# Altium PCB BLE-T2.PcbDoc (part 2 of 3)
Units mm, origin at the board's own origin, x right, y up, seen from the top; angles counter-clockwise.
Board outline 284.81 x 94.32 mm, 2 copper layers (Component Side, Bottom Layer), stack 1.571 mm thick; 178 components, 105 nets, 791 pads, 192 vias.
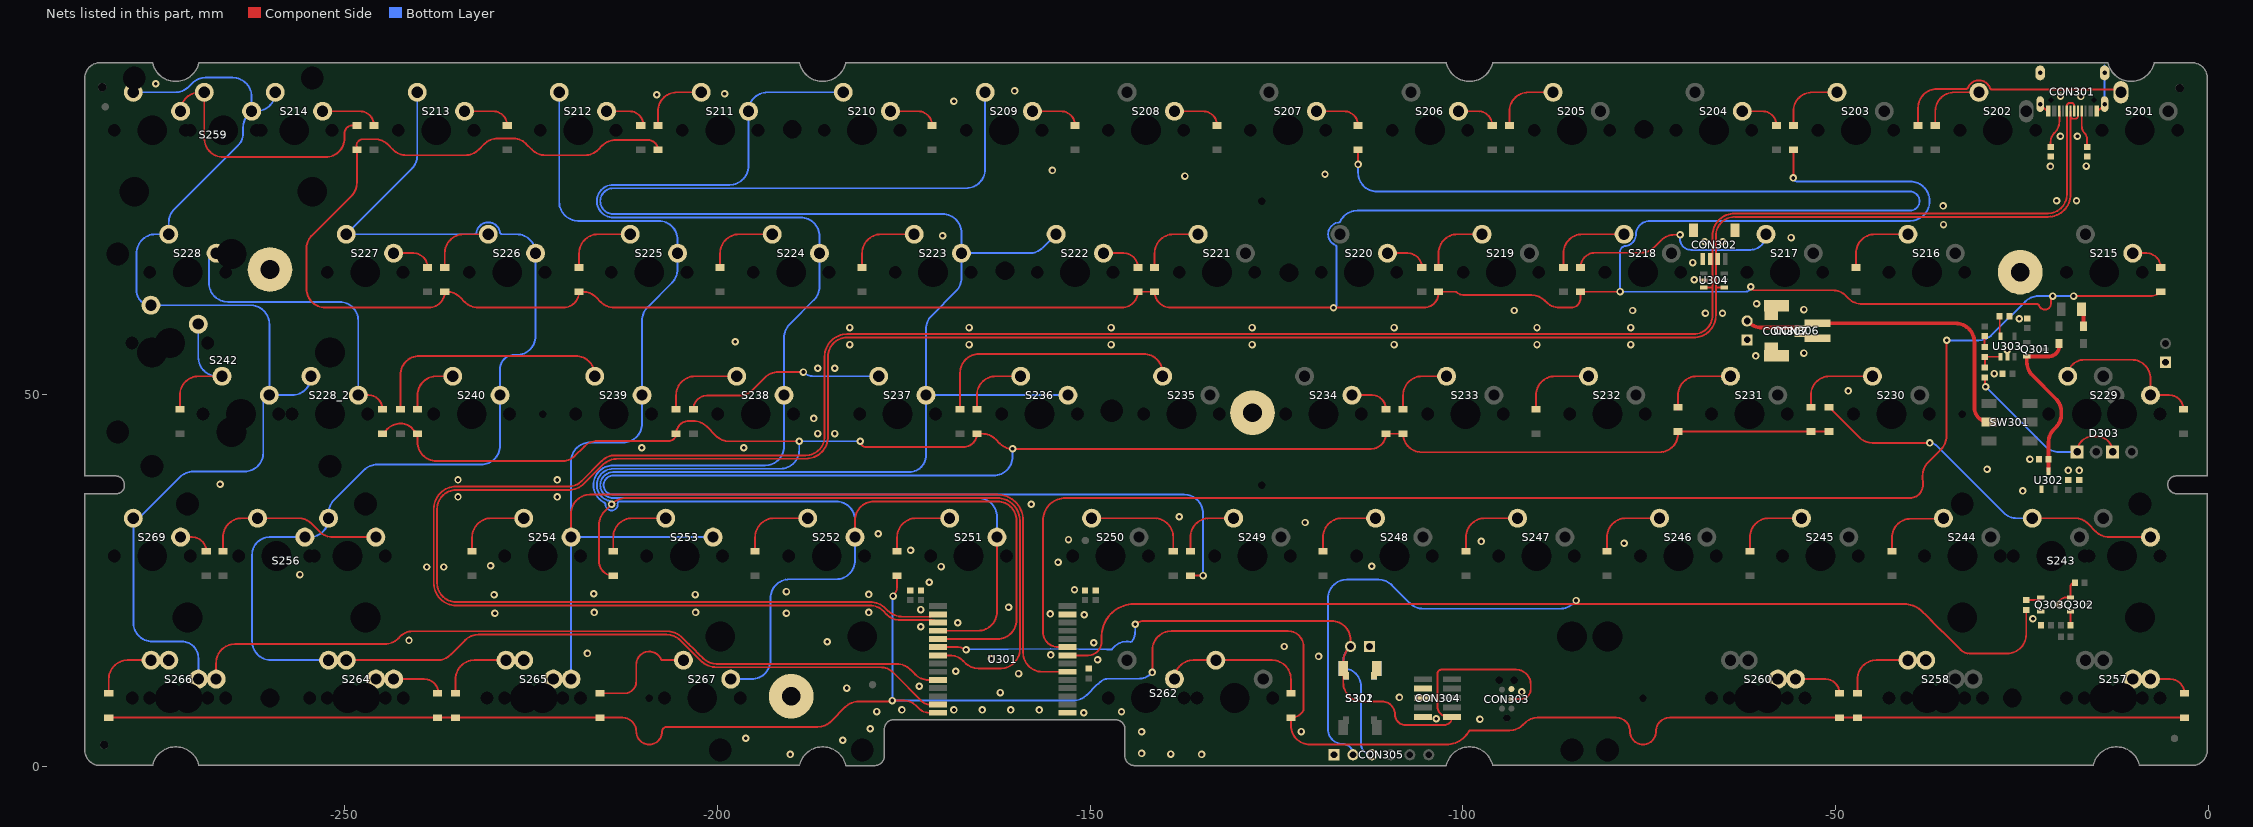
[diagram p2: the nets of this part, all layers, seen from the top]

## Via types
v1: diameter 1, hole 0.5, Component Side to Bottom Layer, tented both sides, 190 vias
v2: diameter 1.5, hole 0.75, Component Side to Bottom Layer, tented both sides, 2 vias

## Nets (pads, with @x,y where several pads share a name; then routed paths per layer and width w, separated by ;. In a path a pad name is that pad's centre, name@x,y a point inside that pad or via, vN(x,y) a via of type N, cw(c..) or ccw(c..) an arc to the next point about the centre after c; other vN are vias at no path point) (continued)
col7: S209.2 S222.2 S223.2 S236.2 S237.2 S251.2 U301.18 | length 303.4
  Component Side w0.254: U301.18@-170.434,18.243 -165.042,18.243 ccw(c-165.042,20.783) -162.502,20.783 S251.2@-162.502,30.805
  Bottom Layer w0.254: S209.2@-164.09,90.495 -164.09,80.165 cw(c-166.63,80.165) -166.63,77.625 -214,77.625 ccw(c-214,75.89) -214,74.155 -169.805,74.155 cw(c-169.805,71.615) -167.265,71.615 S223.2@-167.265,68.905 ; S251.2@-162.502,30.805 -162.502,33.515 ccw(c-165.042,33.515) -165.042,36.055 -214,36.055 cw(c-214,37.79) -214,39.525 -174.3,39.525 ccw(c-174.3,41.798) -172.027,41.798 S237.2@-172.027,49.855 ; S222.2@-154.565,71.445 -156.361,69.649 cw(c-158.157,71.445) -158.157,68.905 S223.2@-167.265,68.905 ; S236.2@-152.977,49.855 S237.2@-172.027,49.855 ; S237.2@-172.027,49.855 -172.027,58.72 cw(c-169.487,58.72) -171.284,60.516 -168.009,63.791 ccw(c-169.805,65.587) -167.265,65.587 S223.2@-167.265,68.905
col8: S210.2 S211.2 S224.2 S238.2 S252.2 S267.2 U301.19 | length 265.8
  Component Side w0.254: S252.2@-181.552,30.805 -181.552,33.052 cw(c-179.012,33.052) -179.012,35.592 -162.433,35.592 cw(c-162.433,33.052) -159.893,33.052 -159.893,19.683 ; U301.19@-170.434,17.143 -162.433,17.143 ; -162.433,17.143 ccw(c-162.433,19.683) -159.893,19.683 ; -162.433,17.143 ccw(c-162.433,19.683) -159.893,19.683
  Bottom Layer w0.254: S267.2@-198.221,11.755 -195.44,11.755 ccw(c-195.44,14.295) -192.9,14.295 -192.9,22.61 cw(c-190.36,22.61) -190.36,25.15 -184.092,25.15 ccw(c-184.092,27.69) -181.552,27.69 S252.2@-181.552,30.805 -181.552,33.061 ccw(c-184.092,33.061) -184.092,35.601 -213.142,35.601 ccw(c-213.143,35.347) -213.395,35.312 cw(c-214.214,35.199) -215.041,35.199 ccw(c-215.295,35.199) -215.181,35.426 cw(c-214,37.79) -214,40.433 -193.617,40.433 ccw(c-193.617,42.973) -191.077,42.973 S238.2@-191.077,49.855 -191.077,57.552 cw(c-188.537,57.552) -190.334,59.348 -187.059,62.623 ccw(c-188.855,64.419) -186.315,64.419 S224.2@-186.315,68.905 -186.315,71.161 ccw(c-188.855,71.161) -188.855,73.701 -214,73.701 cw(c-214,75.89) -214,78.079 -198.38,78.079 ccw(c-198.38,80.619) -195.84,80.619 S211.2@-195.84,87.955 cw(c-193.3,87.955) -193.3,90.495 S210.2@-183.14,90.495
col9: S212.2 S225.2 S239.2 S253.2 S254.2 S265.1 U301.6 | length 213
  Component Side w0.254: S254.2@-219.652,30.805 -219.652,33.96 cw(c-217.112,33.96) -217.112,36.5 -162.433,36.5 cw(c-162.433,33.052) -160.795,36.086 cw(c-162.433,33.052) -159.86,35.348 cw(c-162.433,33.052) -158.985,33.052 -158.985,15.283 ccw(c-156.445,15.283) -156.445,12.743 U301.6@-153.034,12.743
  Bottom Layer w0.254: S212.2@-221.24,90.495 -221.24,75.787 ccw(c-218.7,75.787) -218.7,73.247 -207.905,73.247 cw(c-207.905,70.707) -205.365,70.707 S225.2@-205.365,68.905 -205.365,66.737 cw(c-207.905,66.737) -206.109,64.941 -209.384,61.666 ccw(c-207.587,59.87) -210.127,59.87 S239.2@-210.127,49.855 -210.127,46.04 cw(c-212.667,46.04) -212.667,43.5 -217.112,43.5 ccw(c-217.112,40.96) -219.652,40.96 S254.2@-219.652,30.805 ; S265.1@-219.652,11.755 S254.2@-219.652,30.805 ; S253.2@-200.602,30.805 S254.2@-219.652,30.805
col10: S213.2 S226.2 S227.2 S240.2 S256.2 S264.2 U301.27 | length 228.7
  Component Side w0.254: S264.2@-249.809,14.295 -237.607,14.295 ccw(c-237.607,16.835) -235.811,15.039 -233.868,16.982 cw(c-232.072,15.186) -232.072,17.726 -206.828,17.726 cw(c-206.828,15.186) -205.032,16.982 ccw(c-204.852,17.161) -205.029,16.979 -203.456,15.438 cw(c-204.571,14.295) -203.338,15.31 -202.839,14.811 ; -202.835,14.815 -202.244,14.223 ccw(c-200.127,16.34) -200.124,13.346 -198.229,13.352 cw(c-198.221,11.755) -198.195,13.352 -197.807,13.346 ccw(c-197.8,13.8) -197.8,13.346 -197.55,13.346 -180.7,13.346 -178.184,13.346 ; -178.183,13.346 cw(c-178.184,10.806) -176.388,12.602 -172.444,8.658 ccw(c-171.593,9.65) -171.593,8.343 U301.27@-170.434,8.343
  Bottom Layer w0.254: S264.2@-252.19,14.295 -259.91,14.295 cw(c-259.91,16.835) -262.45,16.835 -262.45,28.45 cw(c-260.095,28.45) -260.095,30.805 S256.2@-255.37,30.805 -254.735,30.805 ccw(c-254.735,33.345) S256.2@-252.195,33.345 -252.195,34.003 cw(c-249.655,34.003) -251.451,35.799 -247.444,39.806 cw(c-245.648,38.01) -245.648,40.55 -231.717,40.55 ccw(c-231.717,43.09) -229.177,43.09 S240.2@-229.177,49.855 -229.177,53.373 cw(c-227.3,53.373) -227.3,55.25 -226.955,55.25 ccw(c-226.955,57.79) -224.415,57.79 S226.2@-224.415,68.905 ccw(c-226.955,68.905) -226.955,71.445 -228.932,71.445 cw(c-228.932,71.699) -229.183,71.664 ccw(c-230.765,71.445) -232.347,71.664 cw(c-232.598,71.699) -232.598,71.445 S227.2@-249.815,71.445 -241.034,80.226 ccw(c-242.83,82.022) -240.29,82.022 S213.2@-240.29,90.495
col11: S214.2 S228.2 S228_2.2 S242.2 S259.2 S266.1 S269.2 U301.24 | length 254.4
  Component Side w0.254: S266.1@-267.277,11.755 -267.277,13.91 cw(c-264.737,13.91) -264.737,16.45 -244.652,16.45 ccw(c-244.652,18.99) -242.856,17.194 -242.55,17.5 cw(c-240.908,15.858) -240.908,18.18 -206.732,18.18 cw(c-206.732,17.926) -206.714,18.179 -206.622,18.173 cw(c-206.828,15.186) -204.731,17.323 -203.846,16.455 -203.137,15.762 cw(c-204.571,14.295) -203.114,15.739 -202.564,15.186 -201.923,14.544 ccw(c-200.127,16.34) -200.127,13.8 -198.231,13.806 cw(c-198.221,11.755) -198.188,13.806 -197.8,13.8 -177.95,13.8 -175.952,13.8 cw(c-175.952,11.26) -174.156,13.056 -173.487,12.387 ccw(c-171.691,14.183) -171.691,11.643 U301.24@-170.434,11.643
  Bottom Layer w0.254: -278.39,18.94 -278.39,19.34 ; S259.2@-278.39,90.495 -272.761,90.495 ccw(c-272.761,93.035) -270.965,91.239 -270.492,91.712 cw(c-268.696,89.916) -268.696,92.456 -265.055,92.456 cw(c-265.055,89.916) -262.515,89.916 S259.2@-262.515,87.955 ; S266.1@-269.658,11.755 -269.658,14.558 ccw(c-271.9,14.558) -271.9,16.8 -275.85,16.8 cw(c-275.85,19.34) -278.39,19.34 ; S214.2@-259.34,90.495 cw(c-261.88,90.495) -261.88,87.955 S259.2@-262.515,87.955 ; S228_2.2@-254.552,52.395 cw(c-257.092,52.395) -257.092,49.855 S242.2@-260.14,49.855 ; -278.39,19.34 S269.2@-278.39,33.345 ccw(c-278.39,35.119) -277.135,33.865 -272.144,38.856 cw(c-270.348,37.06) -270.348,39.6 -263.49,39.6 ccw(c-263.49,42.14) -260.95,42.14 -260.95,49.045 cw(c-260.14,49.045) S242.2@-260.14,49.855 ; S259.2@-262.515,87.955 -262.906,87.564 ccw(c-261.11,85.768) -263.65,85.768 -263.65,85.04 cw(c-266.04,85.04) -264.35,83.35 -272.884,74.816 ccw(c-271.087,73.02) -273.627,73.02 S228.2@-273.627,71.445 -275.41,71.445 ccw(c-275.41,68.905) -277.95,68.905 -277.95,63.855 ccw(c-276.02,63.855) S242.2@-276.02,61.925 -262.68,61.925 cw(c-262.68,59.385) -261.572,61.671 cw(c-262.68,59.385) -260.14,59.385 S242.2@-260.14,49.855
D_N: CON301.A7 CON301.B7 CON302.2 U301.16 U304.4 | length 345.9
  Component Side w0.254: -177.075,20.865 -177.209,20.999 ; U301.16@-170.434,20.443 -170.942,20.443 cw(c-171.718,21.219) -171.718,20.122 -175.09,20.122 cw(c-175.09,23.119) -177.209,20.999 ; U304.4@-65.1,64.3 -65.921,64.3 ccw(c-65.921,64.129) -66.041,64.25 ; CON301.A7@-18.45,88 cw(c-18.681,87.894) -18.427,87.894 -18.427,87.275 ccw(c-18.1,87.275) -18.1,86.948 -17.8,86.948 ccw(c-17.8,87.275) -17.473,87.275 -17.473,87.894 cw(c-17.219,87.894) CON301.B7@-17.45,88 ; CON301.A7@-18.45,88 -18.45,76.784 cw(c-21.447,76.784) -21.447,73.787 -63.501,73.787 ccw(c-63.501,71.247) -66.041,71.247 -66.041,64.25 ; -177.209,20.999 -177.431,21.221 ccw(c-179.549,19.103) -179.549,22.098 -235.077,22.098 cw(c-235.077,24.638) -237.617,24.638 -237.617,34.595 cw(c-235.077,34.595) -235.077,37.135 -220.012,37.135 ccw(c-220.012,40.132) -217.892,38.013 -215.457,40.448 cw(c-213.338,38.329) -213.338,41.326 -188.163,41.326 ccw(c-188.163,44.323) -185.166,44.323 -185.166,55.042 cw(c-182.626,55.042) -182.626,57.582 -69.039,57.582 ccw(c-69.039,60.579) -66.041,60.579 -66.041,64.25
D_P: CON301.A6 CON301.B6 CON302.3 U301.17 U304.3 | length 346.4
  Component Side w0.254: U301.17@-170.434,19.343 ccw(c-171.21,18.567) -171.21,19.664 -175.469,19.664 cw(c-175.469,22.204) -177.265,20.408 -177.753,20.897 ccw(c-179.549,19.101) -179.549,21.641 -235.077,21.641 cw(c-235.077,24.638) -238.074,24.638 -238.074,34.595 cw(c-235.077,34.595) -235.077,37.592 -220.012,37.592 ccw(c-220.012,40.132) -218.216,38.336 -215.513,41.039 cw(c-213.716,39.243) -213.716,41.783 -188.163,41.783 ccw(c-188.163,44.323) -185.623,44.323 -185.623,55.042 cw(c-182.626,55.042) -182.626,58.039 -69.039,58.039 ccw(c-69.039,60.579) -66.499,60.579 -66.499,64.35 ; U304.3@-67.5,64.3 -66.619,64.3 ccw(c-66.619,64.471) -66.499,64.35 ; CON301.B6@-18.95,88 -18.95,76.784 cw(c-21.49,76.784) -21.49,74.244 -63.501,74.244 ccw(c-63.501,71.247) -66.499,71.247 -66.499,64.35 ; CON301.B6@-18.927,88.163 -18.927,88.725 cw(c-18.6,88.725) -18.6,89.052 -18.3,89.052 cw(c-18.3,88.725) -17.973,88.725 -17.973,88.693 -17.973,88.106 ccw(c-17.719,88.106) CON301.A6@-17.95,88
GND: C301.1 C302.1 C303.1 C304.1 C307.1 C308.1 C309.1 C310.1 C311.1 CON301.A1B12 CON301.B1A12 CON301.S1 CON302.4 CON302.5 CON303.5 CON304.3 CON304.5 CON304.9 CON305.1 CON306.2 CON306.3 CON307.2 CON307.3 CON308.1 CON309.1 CON310.1 pad.@-25.2,66.365 pad.@-128.212,47.5 pad.@-190.119,9.45 pad.@-260.05,66.715 Q303.2 R301.2 R302.2 R308.2 R309.2 R316.2 S301.1 S302.2 U301.1 U301.13 U302.1 U303.2 U304.2 | length 7.2
  Component Side w0.254: CON301.S1@-22.52,88.915 -21.715,88.11 ccw(c-21.45,88.374) CON301.B1A12@-21.45,88 ; CON301.B1A12@-21.605,88.5 CON301.B1A12@-21.45,88.5 ; CON301.A1B12@-14.95,88 ccw(c-14.95,88.374) -14.685,88.11 CON301.S1@-13.88,88.915
  Bottom Layer w0.254: CON301.S1@-13.88,89.915 -13.88,94.095
  other v1: -190.25,1.65 -135.05,1.65 -139.2,1.7 -143.1,1.779 -183.2,3.55 -196.215,3.81 -143.1,4.7 -121.693,4.721 -179.5,5.1 -97.7,6.35 -103.55,6.45 -150.876,7.239 -145.796,7.366 -178.65,7.4 -175.26,7.62 -168.275,7.62 -164.465,7.62 -160.655,7.62 -156.845,7.62 -108.5,9.3 -162.05,9.95 -92.075,10.033 -182.65,10.55 -172.95,10.8 -159.6,12.5 -168.021,12.827 -149,14.35 -163.25,14.5 -119.35,14.8 -155.3,15 -217.45,15.2 -123.952,16.129 -149.5,16.65 -185.293,16.764 -241.4,16.95 -172.72,18.796 -167.767,19.304 -23.5,19.85 -150.8,20.4 -155.35,20.5 -229.87,20.574 -190.754,20.574 -216.535,20.701 -202.946,20.701 -179.705,20.701 -172.72,21.082 -160.95,21.4 -229.989,23.074 -203,23.1 -179.705,23.114 -216.6,23.2 -190.754,23.495 -152.1,23.75 -171.6,24.75 -256.032,25.781 -239.014,26.797 -236.728,26.797 -170,26.85 -112.2,26.9 -230.45,26.95 -154.3,27.45 -174.1,29.05 -78.359,29.972 -97.536,30.226 -152.908,30.48 -178.435,31.242 -121.158,32.766 -138.049,33.528 -157.9,35.2 -234.823,36.195 -221.488,36.195 -24.85,37 -266.75,37.9 -234.823,38.481 -221.488,38.481 -18.75,39.75 -17.3,39.75 -29.65,39.9 -23.9,41.25 -210.15,42.8 -196.469,42.799 -186.563,44.704 -184.277,44.704 -187.071,46.736 -48.26,50.419 -28.7,52.75 -186.563,53.467 -184.277,53.467 -60.706,55.118 -54.229,55.499 -26.95,55.9 -182.245,56.642 -166.243,56.642 -147.193,56.642 -128.27,56.642 -109.22,56.642 -90.043,56.642 -77.47,56.642 -197.612,57.023 -182.245,58.928 -166.243,58.928 -147.193,58.928 -128.27,58.928 -109.22,58.928 -90.043,58.928 -77.47,58.928 -25.35,60.1 -67.437,60.833 -65.151,60.833 -93.091,61.214 -77.216,61.214 -54.229,61.341 -60.579,62.103 -68.95,65.35 -69.15,67.65 -67.513,70.45 -65.1,70.45 -55.95,71 -169.799,71.247 -35.5,72.75 -35.55,75.25 -20.32,75.946 -17.653,75.946 -137.287,79.248 -118.491,79.502 -155.067,80.01 -21.15,80.55 -16.35,80.6 -19.812,84.582 -17.526,84.582 -168.275,89.281 -17.062,89.932 -19.8,89.95 -208.153,90.17 -199.05,90.3 -160.147,90.678 -275.392,91.627
NetC309_2: C309.2 D302.2 Q301.2 U302.3 | length 23.1
  Component Side w0.5: U302.3@-21.4,39.65 C309.2@-21.4,41.25 -21.4,43.56 cw(c-19.01,43.56) -20.7,45.25 -20.429,45.521 ccw(c-22.225,47.317) -19.685,47.317 -19.685,47.583 ccw(c-22.225,47.583) -20.429,49.379 -23.57,52.52 cw(c-21.774,54.316) -24.314,54.316 Q301.2@-24.314,55.057 -21.35,55.057 ccw(c-21.35,56.422) -20.221,55.655 ccw(c-21.35,56.422) -19.985,56.422 D302.2@-19.985,56.8
NetCON301_A5: CON301.A5 R302.1 | length 5
  Component Side w0.254: CON301.A5@-16.95,88 -16.95,85.966 ccw(c-15.584,85.966) -16.55,85 cw(c-17.323,84.227) -16.23,84.227 R302.1@-16.23,83.15
NetCON301_B5: CON301.B5 R301.1 | length 5.2
  Component Side w0.254: R301.1@-21.12,83.15 -21.12,83.795 cw(c-19.345,83.795) -20.6,85.05 ccw(c-22.169,86.619) -19.95,86.619 CON301.B5@-19.95,88
NetCON306_1: CON306.1 CON307.1 CON310.2 SW301.2 | length 41.7
  Component Side w0.5: CON310.2@-61.849,59.817 -61.704,59.672 ccw(c-59.908,61.468) -59.908,58.928 CON307.1@-54.737,58.928 ; CON306.1@-52.412,59.499 -33.89,59.499 cw(c-33.89,56.959) -31.35,56.959 -31.35,48.202 ccw(c-29.376,48.202) SW301.2@-29.376,46.228
NetD201_1: D201.1 S201.1 | length 33.4
  Component Side w0.254: D201.1@-38.9,86.05 -38.9,88.409 cw(c-36.36,88.409) -36.36,90.949 -32.45,90.949 ccw(c-32.45,91.203) -32.216,91.106 cw(c-30.74,90.495) -32.079,91.365 cw(c-30.74,90.495) -29.401,91.366 ; -21.651,90.85 -28.992,90.85 cw(c-28.992,91.104) -29.232,91.02 ccw(c-30.74,90.495) -29.4,91.364 ; -21.65,90.85 -12.045,90.85 cw(c-12.045,90.495) S201.1@-11.69,90.495 ccw(c-12.445,90.495) S201.1@-12.445,91.25 ; -29.401,91.366 ccw(c-29.188,91.504) -29.4,91.364 ; -29.401,91.366 cw(c-30.74,90.495) -29.4,91.364
NetD202_1: D202.1 S202.1 | length 9.2
  Component Side w0.254: D202.1@-36.6,86.05 -36.6,87.955 cw(c-34.06,87.955) -34.06,90.495 S202.1@-30.74,90.495
NetD203_1: D203.1 S203.1 | length 9.2
  Component Side w0.254: D203.1@-55.65,86.05 -55.65,87.955 cw(c-53.11,87.955) -53.11,90.495 S203.1@-49.79,90.495
NetD204_1: D204.1 S204.1 | length 5.7
  Component Side w0.254: S204.1@-62.49,87.955 -59.805,87.955 cw(c-59.805,86.05) -58.364,87.295 cw(c-59.805,86.05) D204.1@-57.9,86.05
NetD205_1: D205.1 S205.1 | length 9.2
  Component Side w0.254: D205.1@-93.75,86.05 -93.75,87.955 cw(c-91.21,87.955) -91.21,90.495 S205.1@-87.89,90.495
NetD206_1: D206.1 S206.1 | length 5.7
  Component Side w0.254: S206.1@-100.55,87.915 S206.1@-100.59,87.955 -97.955,87.955 cw(c-97.955,86.05) -96.716,87.497 cw(c-97.955,86.05) D206.1@-96.05,86.05
NetD207_1: D207.1 S207.1 | length 6.7
  Component Side w0.254: S207.1@-119.6,87.915 S207.1@-119.64,87.955 -115.951,87.955 cw(c-115.951,86.05) D207.1@-114.046,86.05
NetD208_1: D208.1 S208.1 | length 6.9
  Component Side w0.254: S208.1@-138.65,87.915 S208.1@-138.69,87.955 -134.874,87.955 cw(c-134.874,86.05) D208.1@-132.969,86.05
NetD209_1: D209.1 S209.1 | length 6.8
  Component Side w0.254: S209.1@-157.74,87.955 -153.924,87.955 cw(c-153.924,86.05) D209.1@-152.019,86.05
NetD210_1: D210.1 S210.1 | length 6.7
  Component Side w0.254: S210.1@-176.79,87.955 -173.101,87.955 cw(c-173.101,86.05) D210.1@-171.196,86.05
NetD211_1: D211.1 S211.1 | length 9.2
  Component Side w0.254: D211.1@-208,86.05 -208,87.955 cw(c-205.46,87.955) -205.46,90.495 S211.1@-202.19,90.495
NetD212_1: D212.1 S212.1 | length 6
  Component Side w0.254: S212.1@-214.89,87.955 -211.836,87.955 cw(c-211.836,86.05) D212.1@-209.931,86.05
NetD213_1: D213.1 S213.1 | length 6.8
  Component Side w0.254: S213.1@-233.94,87.955 -230.124,87.955 cw(c-230.124,86.05) D213.1@-228.219,86.05
NetD214_1: D214.1 S214.1 | length 8
  Component Side w0.254: S214.1@-252.99,87.955 -248.005,87.955 cw(c-248.005,86.05) D214.1@-246.1,86.05
NetD215_1: D215.1 S215.1 | length 4.8
  Component Side w0.254: S215.1@-10.102,68.905 -8.255,68.905 cw(c-8.255,67) D215.1@-6.35,67
NetD216_1: D216.1 S216.1 | length 12.1
  Component Side w0.254: D216.1@-47.244,67 -47.244,68.905 cw(c-44.704,68.905) -44.704,71.445 S216.1@-40.265,71.445 S216.1@-39.776,71.934
  Bottom Layer w0.254: S216.1@-41.27,71.155 S216.1@-40.225,71.155
NetD217_1: D217.1 S217.1 | length 29.4
  Component Side w0.254: D217.1@-84.2,67 cw(c-82.239,67) -83.507,68.496 cw(c-82.239,67) -82.239,68.961 -76.109,68.961 ccw(c-76.109,71.501) -74.313,69.705 -73.388,70.63 cw(c-71.592,68.834) -71.592,71.374 v1(-70.848,71.374)
  Bottom Layer w0.254: v1(-70.848,71.374) -70.848,70.807 ccw(c-69.4,70.807) -69.4,69.359 -61.401,69.359 ccw(c-61.401,71.445) S217.1@-59.315,71.445
NetD218_1: D218.1 S218.1 | length 12.4
  Component Side w0.254: D218.1@-86.5,67 -86.5,68.905 cw(c-83.96,68.905) -83.96,71.445 S218.1@-78.365,71.445 S218.1@-78.994,70.816
NetD219_1: D219.1 S219.1 | length 9.2
  Component Side w0.254: D219.1@-103.25,67 -103.25,68.905 cw(c-100.71,68.905) -100.71,71.445 S219.1@-97.415,71.445
NetD220_1: D220.1 S220.1 | length 5.7
  Component Side w0.254: S220.1@-110.115,68.905 -107.405,68.905 cw(c-107.405,67) D220.1@-105.5,67
NetD221_1: D221.1 S221.1 | length 9.2
  Component Side w0.254: D221.1@-141.35,67 -141.35,68.905 cw(c-138.81,68.905) -138.81,71.445 S221.1@-135.515,71.445
NetD222_1: D222.1 S222.1 | length 5.7
  Component Side w0.254: S222.1@-148.215,68.905 -145.505,68.905 cw(c-145.505,67) D222.1@-143.6,67
NetD223_1: D223.1 S223.1 | length 10.3
  Component Side w0.254: D223.1@-180.594,67 -180.594,68.905 cw(c-178.054,68.905) -178.054,71.445 S223.1@-173.615,71.445
NetD224_1: D224.1 S224.1 | length 10.3
  Component Side w0.254: D224.1@-199.644,67 -199.644,68.905 cw(c-197.104,68.905) -197.104,71.445 S224.1@-192.665,71.445
NetD225_1: D225.1 S225.1 | length 10.4
  Component Side w0.254: D225.1@-218.567,67 -218.567,68.905 cw(c-216.027,68.905) -216.027,71.445 S225.1@-211.715,71.445
  Bottom Layer w0.254: S225.1@-211.715,71.241 S225.1@-211.715,71.445
NetD226_1: D226.1 S226.1 | length 9.2
  Component Side w0.254: D226.1@-236.6,67 -236.6,68.905 cw(c-234.06,68.905) -234.06,71.445 S226.1@-230.765,71.445
NetD227_1: D227.1 S227.1 | length 5.7
  Component Side w0.254: S227.1@-243.465,68.905 -240.805,68.905 cw(c-240.805,67) D227.1@-238.9,67
NetD228_1: D228.1 S228.1 S228_2.1 | length 41.5
  Component Side w0.254: S228_2.1@-248.202,49.855 -246.855,49.855 cw(c-246.855,47.95) D228.1@-244.95,47.95
  Bottom Layer w0.254: S228.1@-267.544,68.868 ccw(c-267.277,67.933) -268.25,67.933 -268.25,64.919 ccw(c-265.71,64.919) -267.104,62.796 ccw(c-265.71,64.919) -265.71,62.379 -250.742,62.379 cw(c-250.742,59.839) -248.202,59.839 S228_2.1@-248.202,49.855
NetD229_1: D229.1 S229.1 | length 21.5
  Component Side w0.254: S229.1@-18.834,52.395 cw(c-16.619,52.395) -16.619,54.61 -10.261,54.61 cw(c-10.261,52.07) -7.721,52.07 S229.1@-7.721,49.855 -5.207,49.855 cw(c-5.207,47.95) D229.1@-3.302,47.95
NetD230_1: D230.1 S230.1 | length 11.3
  Component Side w0.254: D230.1@-53.3,48.235 -53.3,49.855 cw(c-50.76,49.855) -50.76,52.395 S230.1@-45.027,52.395
NetD231_1: D231.1 S231.1 | length 12.4
  Component Side w0.254: D231.1@-71.12,47.95 -71.12,49.855 cw(c-68.58,49.855) -68.58,52.395 S231.1@-64.077,52.395 ; S231.1@-64.748,51.395 S231.1@-64.037,52.105
  Bottom Layer w0.254: S231.1@-64.748,51.395 S231.1@-64.037,52.105
NetD232_1: D232.1 S232.1 | length 10.4
  Component Side w0.254: D232.1@-90.17,47.95 -90.17,49.855 cw(c-87.63,49.855) -87.63,52.395 S232.1@-83.127,52.395
NetD233_1: D233.1 S233.1 | length 9.6
  Component Side w0.254: D233.1@-108,47.95 -108,49.855 cw(c-105.46,49.855) -105.46,52.395 S233.1@-102.427,52.395 ; S233.1@-102.177,52.395 S233.1@-102.427,52.395 ; S233.1@-102.137,52.105 S233.1@-102.427,52.395
NetD234_1: D234.1 S234.1 | length 5.7
  Component Side w0.254: S234.1@-114.877,49.855 -112.205,49.855 cw(c-112.205,47.95) D234.1@-110.3,47.95
NetD235_1: D235.1 S235.1 | length 35.8
  Component Side w0.254: D235.1@-167.45,47.95 -167.45,52.832 cw(c-164.91,52.832) -164.91,55.372 -142.817,55.372 cw(c-142.817,52.832) -140.277,52.832 S235.1@-140.277,52.395
  Bottom Layer w0.254: S235.1@-140.516,51.827 S235.1@-140.237,52.105
NetD236_1: D236.1 S236.1 | length 9.4
  Component Side w0.254: D236.1@-165.2,47.95 -165.2,49.855 cw(c-162.66,49.855) -162.66,52.395 S236.1@-159.327,52.395
  Bottom Layer w0.254: S236.1@-159.287,52.105 S236.1@-159.287,52.297
NetD237_1: D237.1 S237.1 | length 27.2
  Component Side w0.254: D237.1@-203.25,47.95 cw(c-201.416,47.95) -201.416,49.784 -197.14,49.784 ccw(c-197.14,52.324) -195.344,50.528 -193.657,52.215 cw(c-191.861,50.419) -191.861,52.959 v1(-188.468,52.959)
  Bottom Layer w0.254: v1(-188.468,52.959) ccw(c-187.106,54.321) -187.106,52.395 S237.1@-178.377,52.395
NetD238_1: D238.1 S238.1 | length 11.5
  Component Side w0.254: D238.1@-205.55,47.95 -205.55,49.855 cw(c-203.01,49.855) -203.01,52.395 S238.1@-197.427,52.395
NetD239_1: D239.1 S239.1 | length 33.8
  Component Side w0.254: D239.1@-242.55,47.95 -242.55,52.578 cw(c-240.01,52.578) -240.01,55.118 -219.017,55.118 cw(c-219.017,52.578) -216.477,52.578 S239.1@-216.477,52.395
NetD240_1: D240.1 S240.1 | length 8.1
  Component Side w0.254: D240.1@-240.25,47.95 -240.25,49.855 cw(c-237.71,49.855) -238.548,52.253 cw(c-237.71,49.855) -237.71,52.395 S240.1@-235.527,52.395
NetD242_1: D242.1 S242.1 | length 18.1
  Component Side w0.254: D242.1@-272.15,47.95 -272.15,49.855 cw(c-269.61,49.855) -269.61,52.395 S242.1@-266.49,52.395
  Bottom Layer w0.254: S242.1@-269.67,59.385 -269.67,54.935 ccw(c-267.13,54.935) -267.13,52.395 S242.1@-266.49,52.395
NetD243_1: D243.1 S243.1 | length 49.9
  Component Side w0.254: D243.1@-50.85,48.235 -46.809,44.194 ccw(c-45.013,45.99) -45.013,43.45 v1(-37.35,43.45) ; S243.1@-23.596,33.345 -17.887,33.345 cw(c-17.887,30.805) -16.091,32.601 -15.039,31.549 ccw(c-13.243,33.345) -13.243,30.805 S243.1@-7.721,30.805
  Bottom Layer w0.254: v1(-37.35,43.45) cw(c-37.35,42.122) -36.411,43.061 -27.439,34.089 ccw(c-25.643,35.885) -25.643,33.345 S243.1@-23.596,33.345
NetD244_1: D244.1 S244.1 | length 10.3
  Component Side w0.254: D244.1@-42.418,28.9 -42.418,30.734 cw(c-39.878,30.734) -39.878,33.274 S244.1@-35.433,33.274
NetD245_1: D245.1 S245.1 | length 10.3
  Component Side w0.254: D245.1@-61.468,28.9 -61.468,30.805 cw(c-58.928,30.805) -58.928,33.345 S245.1@-54.552,33.345
NetD246_1: D246.1 S246.1 | length 11.1
  Component Side w0.254: D246.1@-80.645,28.9 -80.645,30.805 cw(c-78.105,30.805) -78.105,33.345 S246.1@-73.602,33.345
  Bottom Layer w0.254: S246.1@-74.26,33.055 S246.1@-73.562,33.055
NetD247_1: D247.1 S247.1 | length 10.3
  Component Side w0.254: D247.1@-99.568,28.9 -99.568,30.805 cw(c-97.028,30.805) -97.028,33.345 S247.1@-92.652,33.345
NetD248_1: D248.1 S248.1 | length 10.4
  Component Side w0.254: D248.1@-118.745,28.9 -118.745,30.805 cw(c-116.205,30.805) -116.205,33.345 S248.1@-111.702,33.345
NetD249_1: D249.1 S249.1 | length 9.2
  Component Side w0.254: D249.1@-136.55,28.9 -136.55,30.805 cw(c-134.01,30.805) -134.01,33.345 S249.1@-130.752,33.345
NetD250_1: D250.1 S250.1 | length 14.3
  Component Side w0.254: S250.1@-149.802,33.345 -141.39,33.345 cw(c-141.39,30.805) -138.85,30.805 D250.1@-138.85,28.9
NetD251_1: D251.1 S251.1 | length 10.4
  Component Side w0.254: D251.1@-175.895,28.9 -175.895,30.805 cw(c-173.355,30.805) -173.355,33.345 S251.1@-168.852,33.345
NetD252_1: D252.1 S252.1 | length 10.4
  Component Side w0.254: D252.1@-194.945,28.9 -194.945,30.805 cw(c-192.405,30.805) -192.405,33.345 S252.1@-187.902,33.345
NetD253_1: D253.1 S253.1 | length 10.4
  Component Side w0.254: D253.1@-213.995,28.9 -213.995,30.805 cw(c-211.455,30.805) -211.455,33.345 S253.1@-206.952,33.345
NetD254_1: D254.1 S254.1 | length 10.3
  Component Side w0.254: D254.1@-232.918,28.9 -232.918,30.805 cw(c-230.378,30.805) -230.378,33.345 S254.1@-226.002,33.345
NetD256_1: D256.1 S256.1 | length 25.9
  Component Side w0.254: D256.1@-266.35,28.9 -266.35,30.805 cw(c-263.81,30.805) -263.81,33.345 S256.1@-261.72,33.345 -256.247,33.345 cw(c-256.247,30.805) -254.451,32.601 -253.399,31.549 ccw(c-251.603,33.345) -251.605,30.805 ccw(c-251.603,33.345) -251.603,30.805 -250.65,30.805 S256.1@-245.845,30.805 ; S256.1@-246.227,31.883 cw(c-247.19,30.805) S256.1@-245.745,30.805
NetD257_1: D257.1 S257.1 | length 5.6
  Component Side w0.254: S257.1@-7.721,11.755 -5.08,11.755 cw(c-5.08,9.85) D257.1@-3.175,9.85
NetD258_1: D258.1 S258.2 | length 10.1
  Component Side w0.254: D258.1@-47.05,9.85 -47.05,11.755 cw(c-44.51,11.755) -44.51,14.295 S258.2@-40.264,14.295
NetD259_1: D259.1 S259.1 | length 35.4
  Component Side w0.254: S259.1@-272.04,87.955 cw(c-269.5,87.955) -269.5,90.495 S259.1@-268.865,90.495 -268.865,84.328 ccw(c-266.325,84.328) -266.325,81.788 -252.59,81.788 ccw(c-252.59,84.328) -250.386,83.065 ccw(c-252.59,84.328) -250.05,84.328 -250.05,85 cw(c-249,85) -249,86.05 D259.1@-248.4,86.05
NetD260_1: D260.1 S260.1 | length 7
  Component Side w0.254: S260.1@-55.346,11.755 -51.355,11.755 cw(c-51.355,9.85) D260.1@-49.45,9.85
NetD262_1: D262.1 S262.1 | length 20.4
  Component Side w0.254: S262.1@-138.689,11.755 cw(c-136.149,11.755) -136.149,14.295 -133.443,14.295 -125.603,14.295 cw(c-125.603,11.755) -123.063,11.755 D262.1@-123.063,9.85
NetD264_1: D264.1 S264.1 | length 7.1
  Component Side w0.254: S264.1@-243.464,11.755 -239.355,11.755 cw(c-239.355,9.85) D264.1@-237.45,9.85
NetD265_1: D265.1 S265.2 | length 10.1
  Component Side w0.254: D265.1@-235.15,9.85 -235.15,11.755 cw(c-232.61,11.755) -232.61,14.295 S265.2@-228.383,14.295
NetD266_1: D266.1 S266.2 | length 9
  Component Side w0.254: D266.1@-281.686,9.85 -281.686,11.755 cw(c-279.146,11.755) -279.146,14.295 S266.2@-276.008,14.295
NetD267_1: D267.1 S267.1 | length 15.8
  Component Side w0.254: D267.1@-215.773,9.85 ccw(c-215.773,9.87) D267.1@-215.753,9.87 ; D267.1@-215.75,9.85 -212.5,9.85 ccw(c-212.5,11.45) -210.9,11.45 -210.9,12.55 -210.904,12.55 -210.904,13.715 cw(c-209.169,13.715) -207.594,14.442 ccw(c-207.363,14.549) -207.363,14.295 S267.1@-204.571,14.295
NetD269_1: D269.1 S269.1 | length 4.5
  Component Side w0.254: S269.1@-272.04,30.805 -270.505,30.805 cw(c-270.505,28.9) D269.1@-268.6,28.9
NetD301_2: D301.2 R307.2 | length 1.5
  Component Side w0.254: R307.2@-29.972,56.291 D301.2@-29.972,57.77
NetD303_2: D303.2 R311.2 | length 24.2
  Component Side w0.254: R311.2@-29.95,52.25 -29.95,51.241 ccw(c-29.609,51.241) v1(-29.85,51) ; D303.2@-17.564,42.235 cw(c-15.499,42.235) -17.441,42.936 cw(c-15.499,42.235) -17.313,43.222 cw(c-15.499,42.235) -15.499,44.3 -14.867,44.3 cw(c-14.867,42.235) D303.2@-12.802,42.235
  Bottom Layer w0.254: v1(-29.85,51) -21.829,42.979 ccw(c-20.033,44.775) -20.033,42.235 D303.2@-17.564,42.235
NetD304_1: D304.1 F301.1 | length 2.4
  Component Side w0.5: F301.1@-17,61.4 cw(c-17.688,60.712) -16.715,60.712 D304.1@-16.715,59.1
NetQ302_1: Q302.1 Q303.3 R312.2 | length 4.4
  Component Side w0.254: Q303.3@-20.05,21.75 cw(c-19.09,21.75) -19.09,22.71 Q302.1@-18.458,22.71 -18.458,24.142 cw(c-17.9,24.142) R312.2@-17.9,24.7
NetQ302_2: Q302.2 R314.1 | length 1.8
  Component Side w0.254: Q302.2@-18.458,20.81 -18.45,20.81 R314.1@-18.45,19
NetQ303_1: Q303.1 R313.2 | length 2.1
  Component Side w0.254: R313.2@-24.4,22.35 -22.8,22.35 ccw(c-22.8,22.7) Q303.1@-22.45,22.7
NetR307_1: R307.1 R311.1 U303.1 | length 3.6
  Component Side w0.254: R311.1@-29.95,53.55 -29.95,54.969 ccw(c-29.972,54.969) R307.1@-29.972,54.991 cw(c-29.95,54.991) -29.95,55.013 U303.1@-27.874,55.013
NetR308_1: R308.1 U303.5 | length 2.7
  Component Side w0.254: R308.1@-27.955,60.452 -27.955,57.844 ccw(c-27.874,57.844) U303.5@-27.874,57.763
P0.04: CON305.2 R313.1 U301.8 | length 199.5
  Component Side w0.254: U301.8@-153.034,14.943 -150.287,14.943 ccw(c-150.287,16.764) -148.466,16.764 -148.466,17.469 cw(c-144.11,17.469) -148.45,17.838 cw(c-144.11,17.469) -148.087,19.245 cw(c-144.11,17.469) -146.788,20.905 cw(c-144.11,17.469) -144.152,21.825 -144.141,21.825 cw(c-144.125,20.463) -144.125,21.825 -40.765,21.825 cw(c-40.765,18.377) -39.622,21.63 cw(c-40.765,18.377) -38.325,20.813 -37.831,20.319 -37.225,19.714 ccw(c-37.046,19.893) -37.209,19.698 cw(c-37.5,19.35) -37.152,19.641 ccw(c-36.957,19.804) -37.136,19.625 -36.981,19.469 -35.906,18.394 -35.652,18.14 ccw(c-35.472,18.32) -35.6,18.1 -35.6,18.088 -33.381,15.869 -33.192,15.68 ccw(c-32.039,16.835) -32.039,15.203 -26.94,15.203 ccw(c-26.94,17.743) -24.4,17.743 R313.1@-24.4,21.05
  Bottom Layer w0.254: CON305.2@-114.73,1.6 -114.73,1.68 ccw(c-116.1,1.68) -116.1,3.05 cw(c-116.1,5.05) -118.1,5.05 -118.1,22.56 cw(c-115.56,22.56) -115.56,25.1 -111.302,25.1 cw(c-111.302,22.56) -109.506,24.356 -107.094,21.944 ccw(c-105.298,23.74) -105.298,21.2 -86.952,21.2 ccw(c-86.952,23.74) -85.156,21.944 v1(-84.8,22.3)
P0.06: D203.2 D207.2 D211.2 D215.2 D217.2 D219.2 D221.2 D222.2 D225.2 D226.2 D259.2 U301.9 | length 753.3
  Component Side w0.254: D211.2@-208,82.78 ccw(c-209.32,82.78) -209.32,84.1 -213.648,84.1 ccw(c-213.648,81.56) -215.444,83.356 -216.006,82.794 cw(c-217.802,84.59) -217.802,82.05 -223.098,82.05 cw(c-223.098,84.59) -224.894,82.794 -225.7,83.6 ccw(c-227.39,81.91) -227.39,84.3 -229.498,84.3 ccw(c-229.498,81.76) -231.294,83.556 -232.056,82.794 cw(c-233.852,84.59) -233.852,82.05 -241.748,82.05 cw(c-241.748,84.59) -243.544,82.794 -244.206,83.456 ccw(c-246.002,81.66) -246.002,84.2 -247.55,84.2 ccw(c-247.55,83.3) -248.45,83.3 cw(c-248.45,83.25) -248.4,83.25 D259.2@-248.4,82.78 -248.4,78.352 cw(c-250.94,78.352) -249.144,76.556 -254.478,71.222 ccw(c-252.857,69.6) -255.15,69.6 -255.15,64.14 ccw(c-252.61,64.14) -252.61,61.6 -238.73,61.6 ccw(c-238.73,63.73) D226.2@-236.6,63.73 -236.332,63.73 cw(c-236.332,61.19) -234.536,62.986 -233.894,62.344 ccw(c-232.098,64.14) -232.098,61.6 -220.697,61.6 ccw(c-220.697,63.73) D225.2@-218.567,63.73 -218.082,63.73 cw(c-218.082,61.19) -216.286,62.986 -215.644,62.344 ccw(c-213.848,64.14) -213.848,61.6 -145.73,61.6 ccw(c-145.73,63.73) D222.2@-143.6,63.73 D221.2@-141.35,63.73 ccw(c-139.22,63.73) -139.22,61.6 v1(-117.35,61.6) -105.2,61.6 ccw(c-105.2,63.55) -103.25,63.55 D219.2@-103.25,63.73 -101.016,63.73 cw(c-101.015,63.476) -100.853,63.672 ccw(c-99.757,64.993) -99.757,63.276 -90.778,63.276 cw(c-90.778,60.736) -88.982,62.532 -88.75,62.3 ccw(c-87.06,63.99) -87.06,61.6 -85.45,61.6 ccw(c-85.45,62.85) -84.2,62.85 D217.2@-84.2,63.73 -78.948,63.73 ccw(c-78.948,63.798) v1(-78.9,63.75) ; U301.9@-153.034,16.043 -154.286,16.043 cw(c-154.286,18.075) -156.318,18.075 -156.318,31.5 -156.318,33.061 cw(c-153.324,33.061) -155.881,34.619 cw(c-153.324,33.061) -154.627,35.756 cw(c-153.324,33.061) -153.324,36.055 -40,36.055 ccw(c-40,37.79) -38.298,37.452 ccw(c-40,37.79) -38.266,37.839 -38.298,39.043 cw(c-38.044,39.05) -38.298,39.05 cw(c-35.758,39.05) -37.554,40.846 -35.844,42.556 ccw(c-37.64,44.352) -35.1,44.352 v1@-35.1,57.188 ; v1(-114.046,80.811) D207.2@-114.046,82.78 ; -61.084,63.927 -52.95,63.927 -50.379,63.927 cw(c-50.379,61.387) -48.583,63.183 -48.221,62.821 ccw(c-46.425,64.617) -46.425,62.077 -33.15,62.077 -25.4,62.077 -25.263,62.077 -24.199,62.077 -22.931,62.077 cw(c-22.93,61.823) -22.688,61.9 ccw(c-21.9,62.15) -21.092,62.325 -21.092,62.567 cw(c-20.267,62.567) v1(-20.85,63.15) ; v1(-55.65,79) D203.2@-55.65,82.78 ; v1(-18.05,63.15) -7.75,63.15 ccw(c-7.75,65.13) D215.2@-6.35,63.73
  Bottom Layer w0.254: v1(-117.35,61.6) ccw(c-117.35,62.031) -116.919,62.031 -116.919,69.734 ccw(c-117.173,69.735) -117.076,69.969 cw(c-116.465,71.445) -116.647,73.032 ccw(c-116.676,73.284) -116.447,73.173 cw(c-114.16,72.069) -114.16,74.609 -40,74.609 ccw(c-40,75.89) -40,77.171 -111.506,77.171 cw(c-111.506,79.711) -114.046,79.711 v1(-114.046,80.811) ; -76.771,71.348 cw(c-78.365,71.445) -78.27,69.851 ccw(c-78.253,69.597) -78.308,69.845 ccw(c-78.145,69.108) -78.9,69.109 -78.9,68 v1(-78.9,63.75) ccw(c-78.852,63.798) -78.852,63.73 -62.02,63.73 ccw(c-62.02,64.4) v1(-61.35,64.4) ; -76.771,71.349 ccw(c-78.365,71.445) -76.768,71.446 cw(c-76.514,71.446) -76.768,71.448 cw(c-76.514,71.446) -76.768,71.462 cw(c-74.872,71.348) -74.872,73.247 -40,73.247 ccw(c-40,75.89) -40,78.533 -55.183,78.533 cw(c-55.183,79) v1(-55.65,79) ; v1(-35.058,57.211) -30.791,57.211 ccw(c-30.791,59.751) -28.995,57.955 -24.544,62.406 cw(c-22.748,60.61) -22.748,63.15 v1(-20.85,63.15) -18.583,63.15 cw(c-18.583,62.467) -18.1,62.95 -18.05,63 v1(-18.05,63.15)
P0.10: D251.2 D257.2 D258.2 D260.2 D262.2 D264.2 D265.2 D266.2 D267.2 U301.28 | length 333.7
  Component Side w0.254: D266.2@-281.686,6.58 D264.2@-237.55,6.58 D265.2@-235.15,6.58 D267.2@-215.75,6.58 -212.769,6.58 cw(c-212.769,4.715) -210.904,4.715 ccw(c-209.169,4.715) -207.434,4.715 cw(c-206.799,4.715) -206.799,5.35 -186.552,5.35 ccw(c-186.552,7.89) -184.756,6.094 -182.831,8.019 cw(c-181.035,6.223) -181.035,8.763 v1@-176.543,8.763 ; v1(-176.543,8.871) -174.968,8.871 cw(c-174.968,6.647) -173.395,8.22 cw(c-174.965,6.223) -173.169,8.019 -172.9,7.75 ccw(c-171.676,8.974) -171.676,7.243 U301.28@-170.434,7.243 cw(c-170.258,7.243) U301.28@-170.382,7.368 ; v1(-176.45,22.9) ccw(c-177.79,24.24) -175.895,24.24 D251.2@-175.895,25.63 ; v1(-141.65,12.65) -141.65,15.653 cw(c-139.11,15.653) -139.11,18.193 -123.444,18.193 cw(c-123.444,16.107) -122.1,17.703 cw(c-123.444,16.107) -121.358,16.107 -121.358,7.641 cw(c-121.612,7.64) -121.397,7.505 cw(c-123.063,8.543) D262.2@-123.063,6.58 -123.063,5.532 ccw(c-120.523,5.532) -120.523,2.992 -102.19,2.992 ccw(c-102.19,6.44) -100.716,3.323 ccw(c-102.19,6.44) -99.502,4.281 ccw(c-102.19,6.44) -99.362,4.467 ccw(c-102.19,6.44) -99.361,4.468 ccw(c-102.19,6.44) -99.188,4.744 cw(c-98.967,4.619) -98.966,4.873 -97.85,4.873 -97.49,4.873 ccw(c-97.49,5.327) -97.429,4.877 -93.725,4.877 ccw(c-93.725,7.417) -92.249,5.35 ccw(c-93.725,7.417) -91.929,5.621 -91.692,5.858 cw(c-89.948,4.113) -89.948,6.58 -79.419,6.58 cw(c-79.419,4.715) -77.554,4.715 ccw(c-75.819,4.715) -74.084,4.715 cw(c-72.219,4.715) -72.219,6.58 D260.2@-49.45,6.58 D258.2@-47.05,6.58 D257.2@-3.175,6.58
  Bottom Layer w0.254: v1@-176.543,22.657 v1(-176.543,8.871) -152.265,8.871 ccw(c-152.265,11.411) -150.469,9.615 -149.083,11.002 ccw(c-150.777,13.47) -148.659,11.354 cw(c-147.583,10.278) -147.583,11.8 -143.552,11.8 ccw(c-143.552,14.34) -141.756,12.544 v1(-141.65,12.65) ; v1(-176.45,22.9) v1@-176.3,22.9
P0.18/RESET: CON303.3 CON304.10 CON305.3 CON308.2 S301.2 S302.1 U301.20 | length 125.6
  Component Side w0.254: U301.20@-170.434,16.043 -167.715,16.043 cw(c-167.715,14.891) -166.9,15.706 v1(-166.65,15.706) ; v1(-143.95,19.1) cw(c-142.852,18.002) -142.852,19.555 -117.602,19.555 cw(c-117.602,17.015) -115.062,17.015 CON308.2@-115.062,16.383 ; S301.2@-116.042,13.025 -116.042,11.303 ccw(c-113.502,11.303) -113.502,8.763 -110.871,8.763 cw(c-110.871,6.985) -109.093,6.985 ccw(c-107.696,6.985) -107.696,5.588 -102.515,5.588 ccw(c-102.515,6.675) CON304.10@-101.428,6.675 -101.956,6.675 cw(c-101.956,8.128) -102.226,6.7 cw(c-101.956,8.128) -103.384,7.858 cw(c-101.956,8.128) -103.409,8.128 -103.409,12.458 cw(c-102.84,12.458) -102.84,13.027 -92.856,13.027 cw(c-92.856,11.049) -90.878,11.049 -90.878,10.414 cw(c-92.219,10.414) -92.219,9.073 CON303.3@-93.472,9.073 ; S301.2@-116.042,13.19 -116.042,14.097 cw(c-113.502,14.097) -115.298,15.893 CON308.2@-115.062,16.129
  Bottom Layer w0.254: v1(-166.65,15.706) -155.31,15.827 cw(c-155.3,15) -155.285,15.827 -147.756,15.706 -147.24,15.705 ccw(c-147.24,15.96) -147.037,15.806 cw(c-145.039,14.295) -144.609,16.763 ccw(c-144.565,17.013) -144.352,16.875 ccw(c-146.49,18.246) -143.95,18.246 v1(-143.95,19.1) ; CON308.2@-115.062,16.129 -115.298,15.893 ccw(c-113.502,14.097) -116.042,14.097 S302.1@-116.042,13.19 cw(c-116.042,10.798) -113.65,10.798 -113.65,3.06 ccw(c-112.19,3.06) CON305.3@-112.19,1.6
P0.20: D228.2 D230.2 D231.2 D233.2 D234.2 D236.2 D238.2 D240.2 D243.2 D249.2 D253.2 U301.21 | length 490.8
  Component Side w0.254: D228.2@-244.95,44.68 -244.324,45.306 cw(c-242.528,43.51) -242.528,46.05 -242.5,46.05 cw(c-242.5,43.925) -240.998,45.428 D240.2@-240.25,44.68 -240.25,43.561 ccw(c-237.71,43.561) -237.71,41.021 -220.726,41.021 ccw(c-220.726,43.167) -219.208,41.65 -217.902,42.956 cw(c-216.106,41.16) -216.106,43.7 -206.53,43.7 ccw(c-206.53,44.68) D238.2@-205.55,44.68 cw(c-203.83,44.68) -203.83,46.4 -203.252,46.4 cw(c-203.252,43.86) -201.456,45.656 -200.209,44.409 ccw(c-198.413,46.205) -198.413,43.665 v1(-189.032,43.665) ; D253.2@-213.995,25.63 cw(c-213.995,27.535) -215.9,27.535 -215.9,32.461 cw(c-213.36,32.461) -215.156,34.257 v1(-214.214,35.199) -214.111,35.302 cw(c-212.315,33.506) -212.315,36.046 -162.433,36.046 cw(c-162.433,33.052) -161.196,35.779 cw(c-162.433,33.052) -159.683,34.236 cw(c-162.433,33.052) -159.439,33.052 -159.439,15.74 cw(c-161.979,15.74) -161.979,13.2 -164.998,13.2 cw(c-164.998,15.74) -166.794,13.944 -167.049,14.199 ccw(c-168.845,12.403) -168.845,14.943 U301.21@-170.434,14.943 ; v1(-180.851,43.665) ccw(c-180.086,43.665) -180.086,42.9 -166.98,42.9 ccw(c-166.98,44.68) D236.2@-165.2,44.68 -164.482,44.68 cw(c-164.482,42.14) -162.686,43.936 -162.1,43.35 ccw(c-160.41,45.04) v1(-160.41,42.65) -112.33,42.65 ccw(c-112.33,44.68) D234.2@-110.3,44.68 D233.2@-108,44.68 ccw(c-105.52,44.68) -105.52,42.2 -73.6,42.2 ccw(c-73.6,44.68) D231.2@-71.12,44.68 ; D249.2@-136.55,25.63 cw(c-136.502,25.582) -136.502,25.65 v1(-134.85,25.65) ; D231.2@-71.12,44.965 D230.2@-53.3,44.965 D243.2@-50.85,44.965
  Bottom Layer w0.254: -214.783,35.746 ccw(c-214,37.79) -214.502,35.659 cw(c-214,37.79) -216.007,36.916 cw(c-214,37.79) -214,39.979 -191.572,39.979 ccw(c-191.572,42.519) -189.032,42.519 v1(-189.032,43.665) v1(-180.851,43.665) ; -214.501,35.659 cw(c-214.56,35.412) -214.385,35.596 cw(c-214.761,35.199) v1(-214.214,35.199) ; v1(-160.41,42.65) -160.41,41.611 cw(c-162.95,41.611) -162.95,39.071 -214,39.071 ccw(c-214,37.79) -214,36.509 -137.39,36.509 cw(c-137.39,33.969) -134.85,33.969 v1(-134.85,25.65)